# Altium PCB ECU rev B pcb.PcbDoc (part 1 of 6)
Units mil, origin at the board's own origin, x right, y up, seen from the top; angles counter-clockwise.
Board outline 5590.55 x 4937.67 mil, 4 copper layers (Top Layer, GND, Power, Bottom Layer), stack 23.756 mil thick; 577 components, 350 nets, 1799 pads, 680 vias.
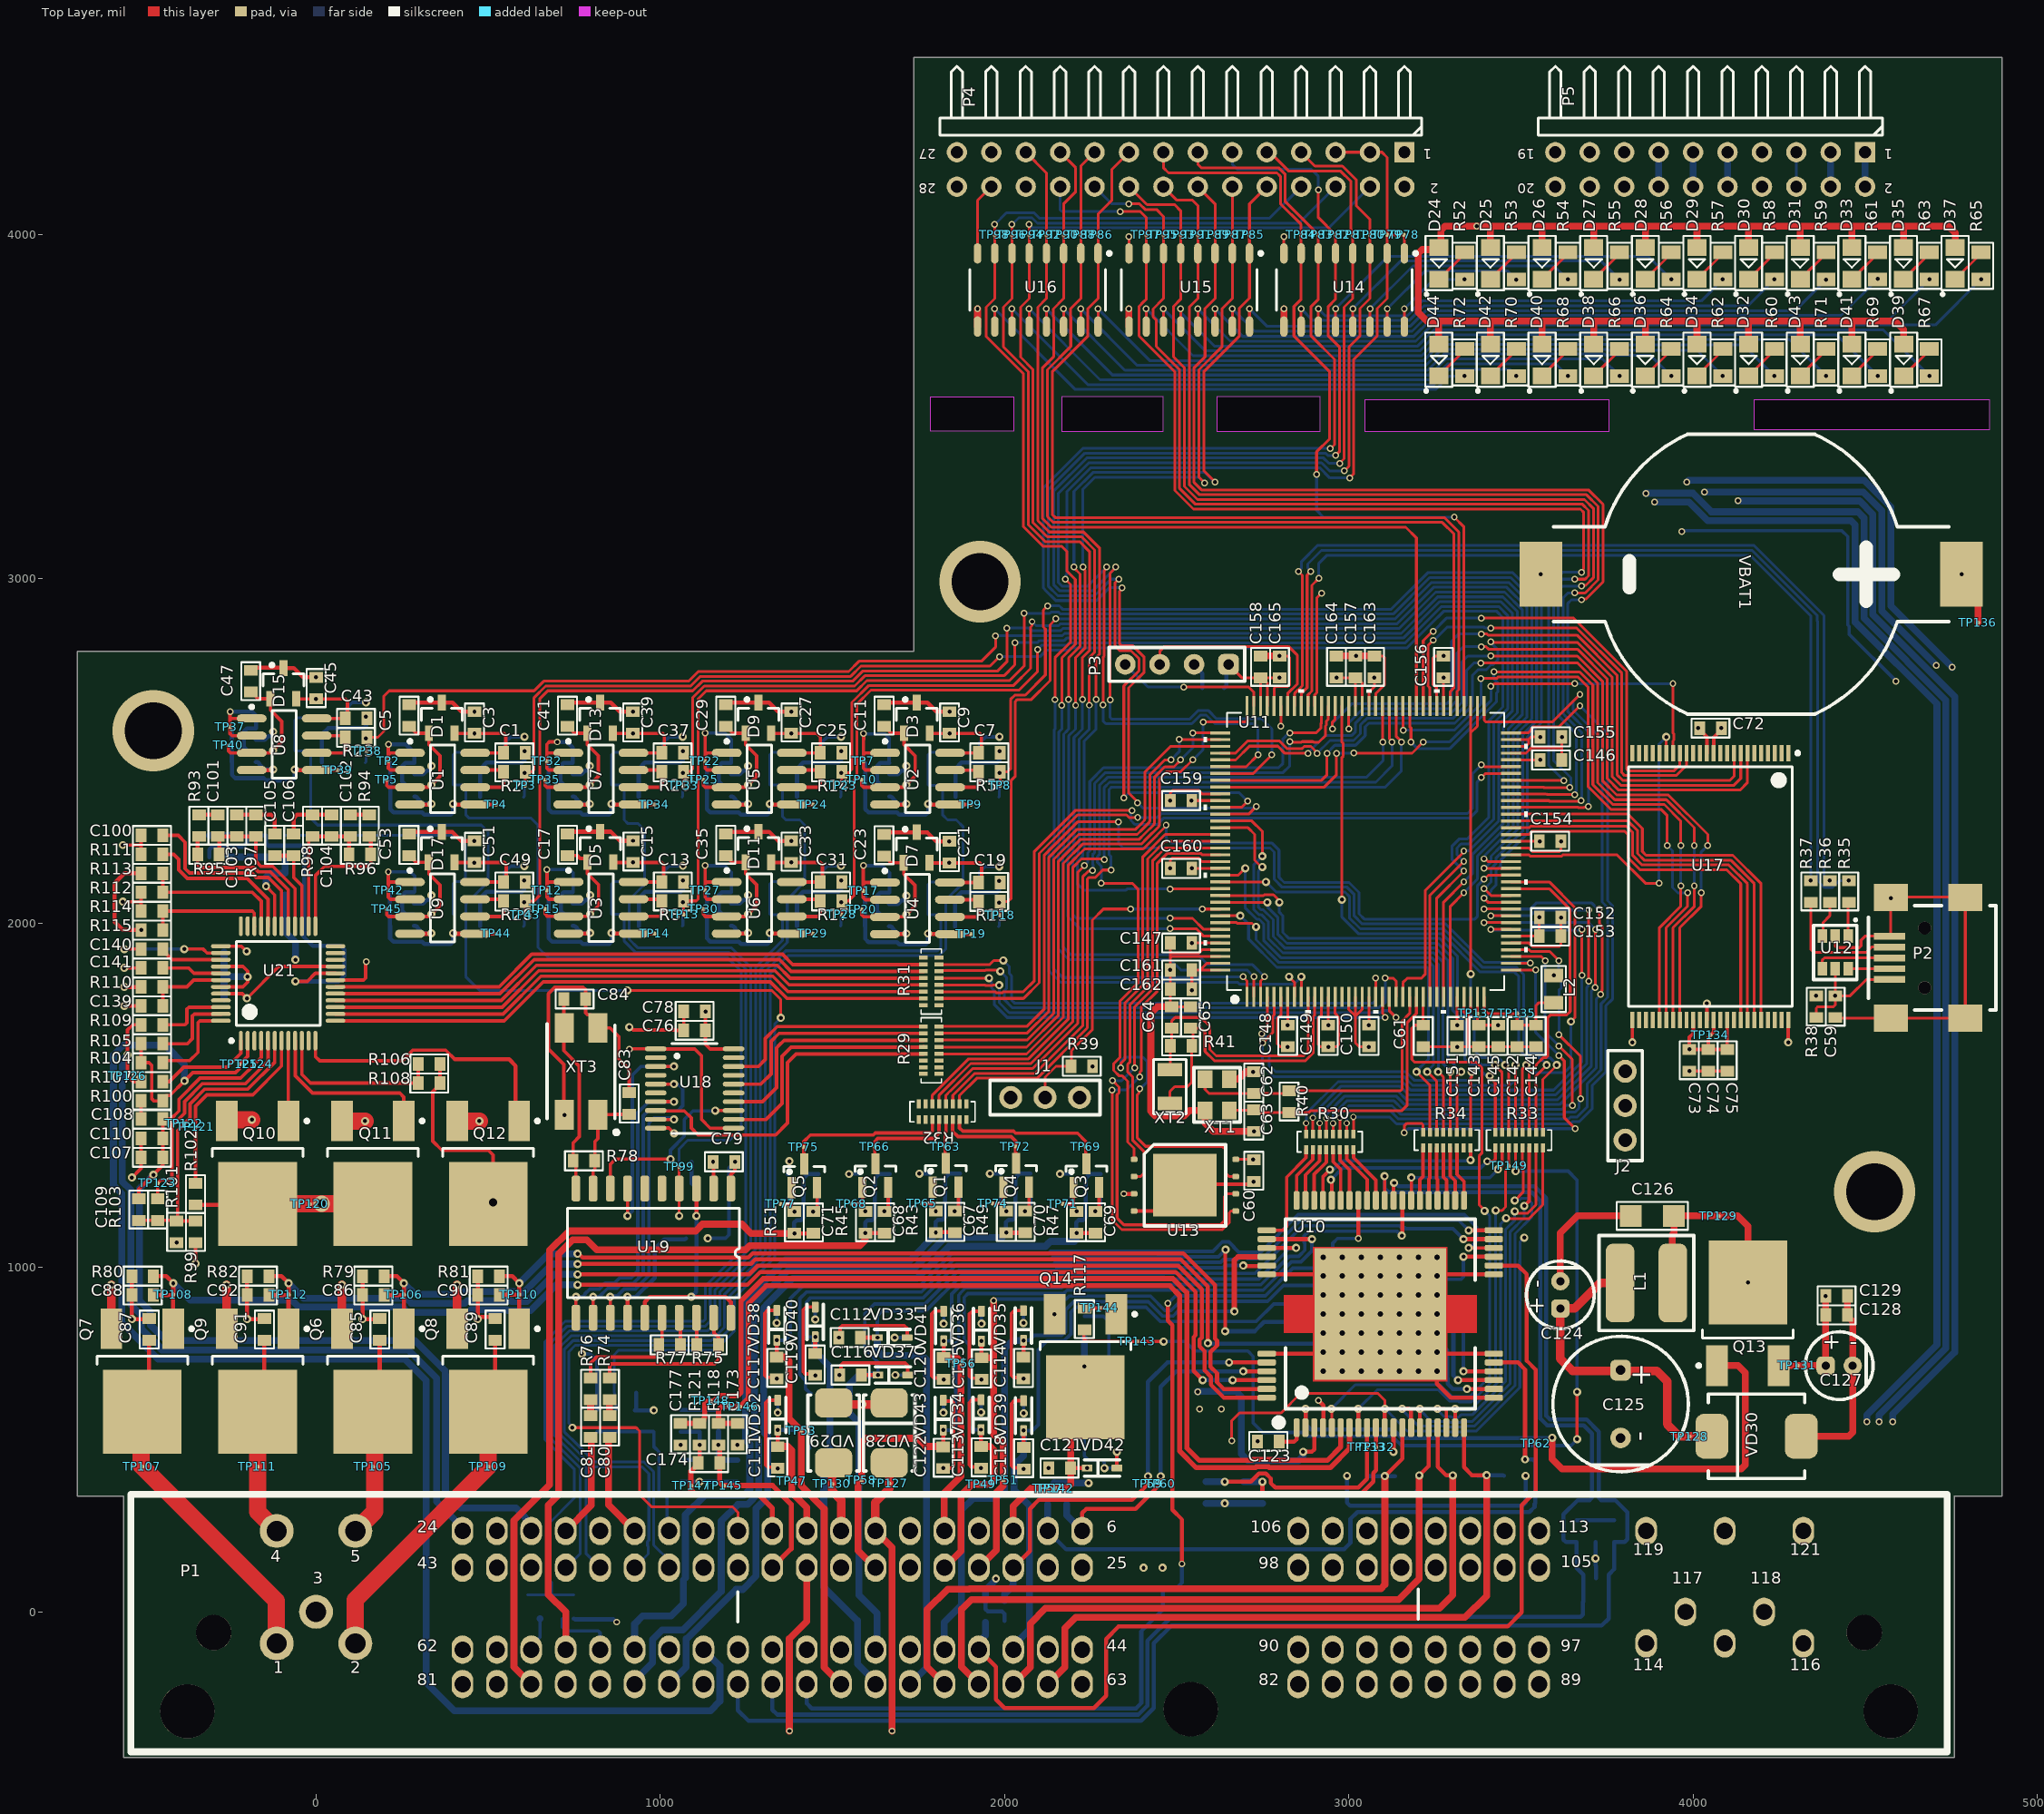
[diagram p0: Top Layer view]
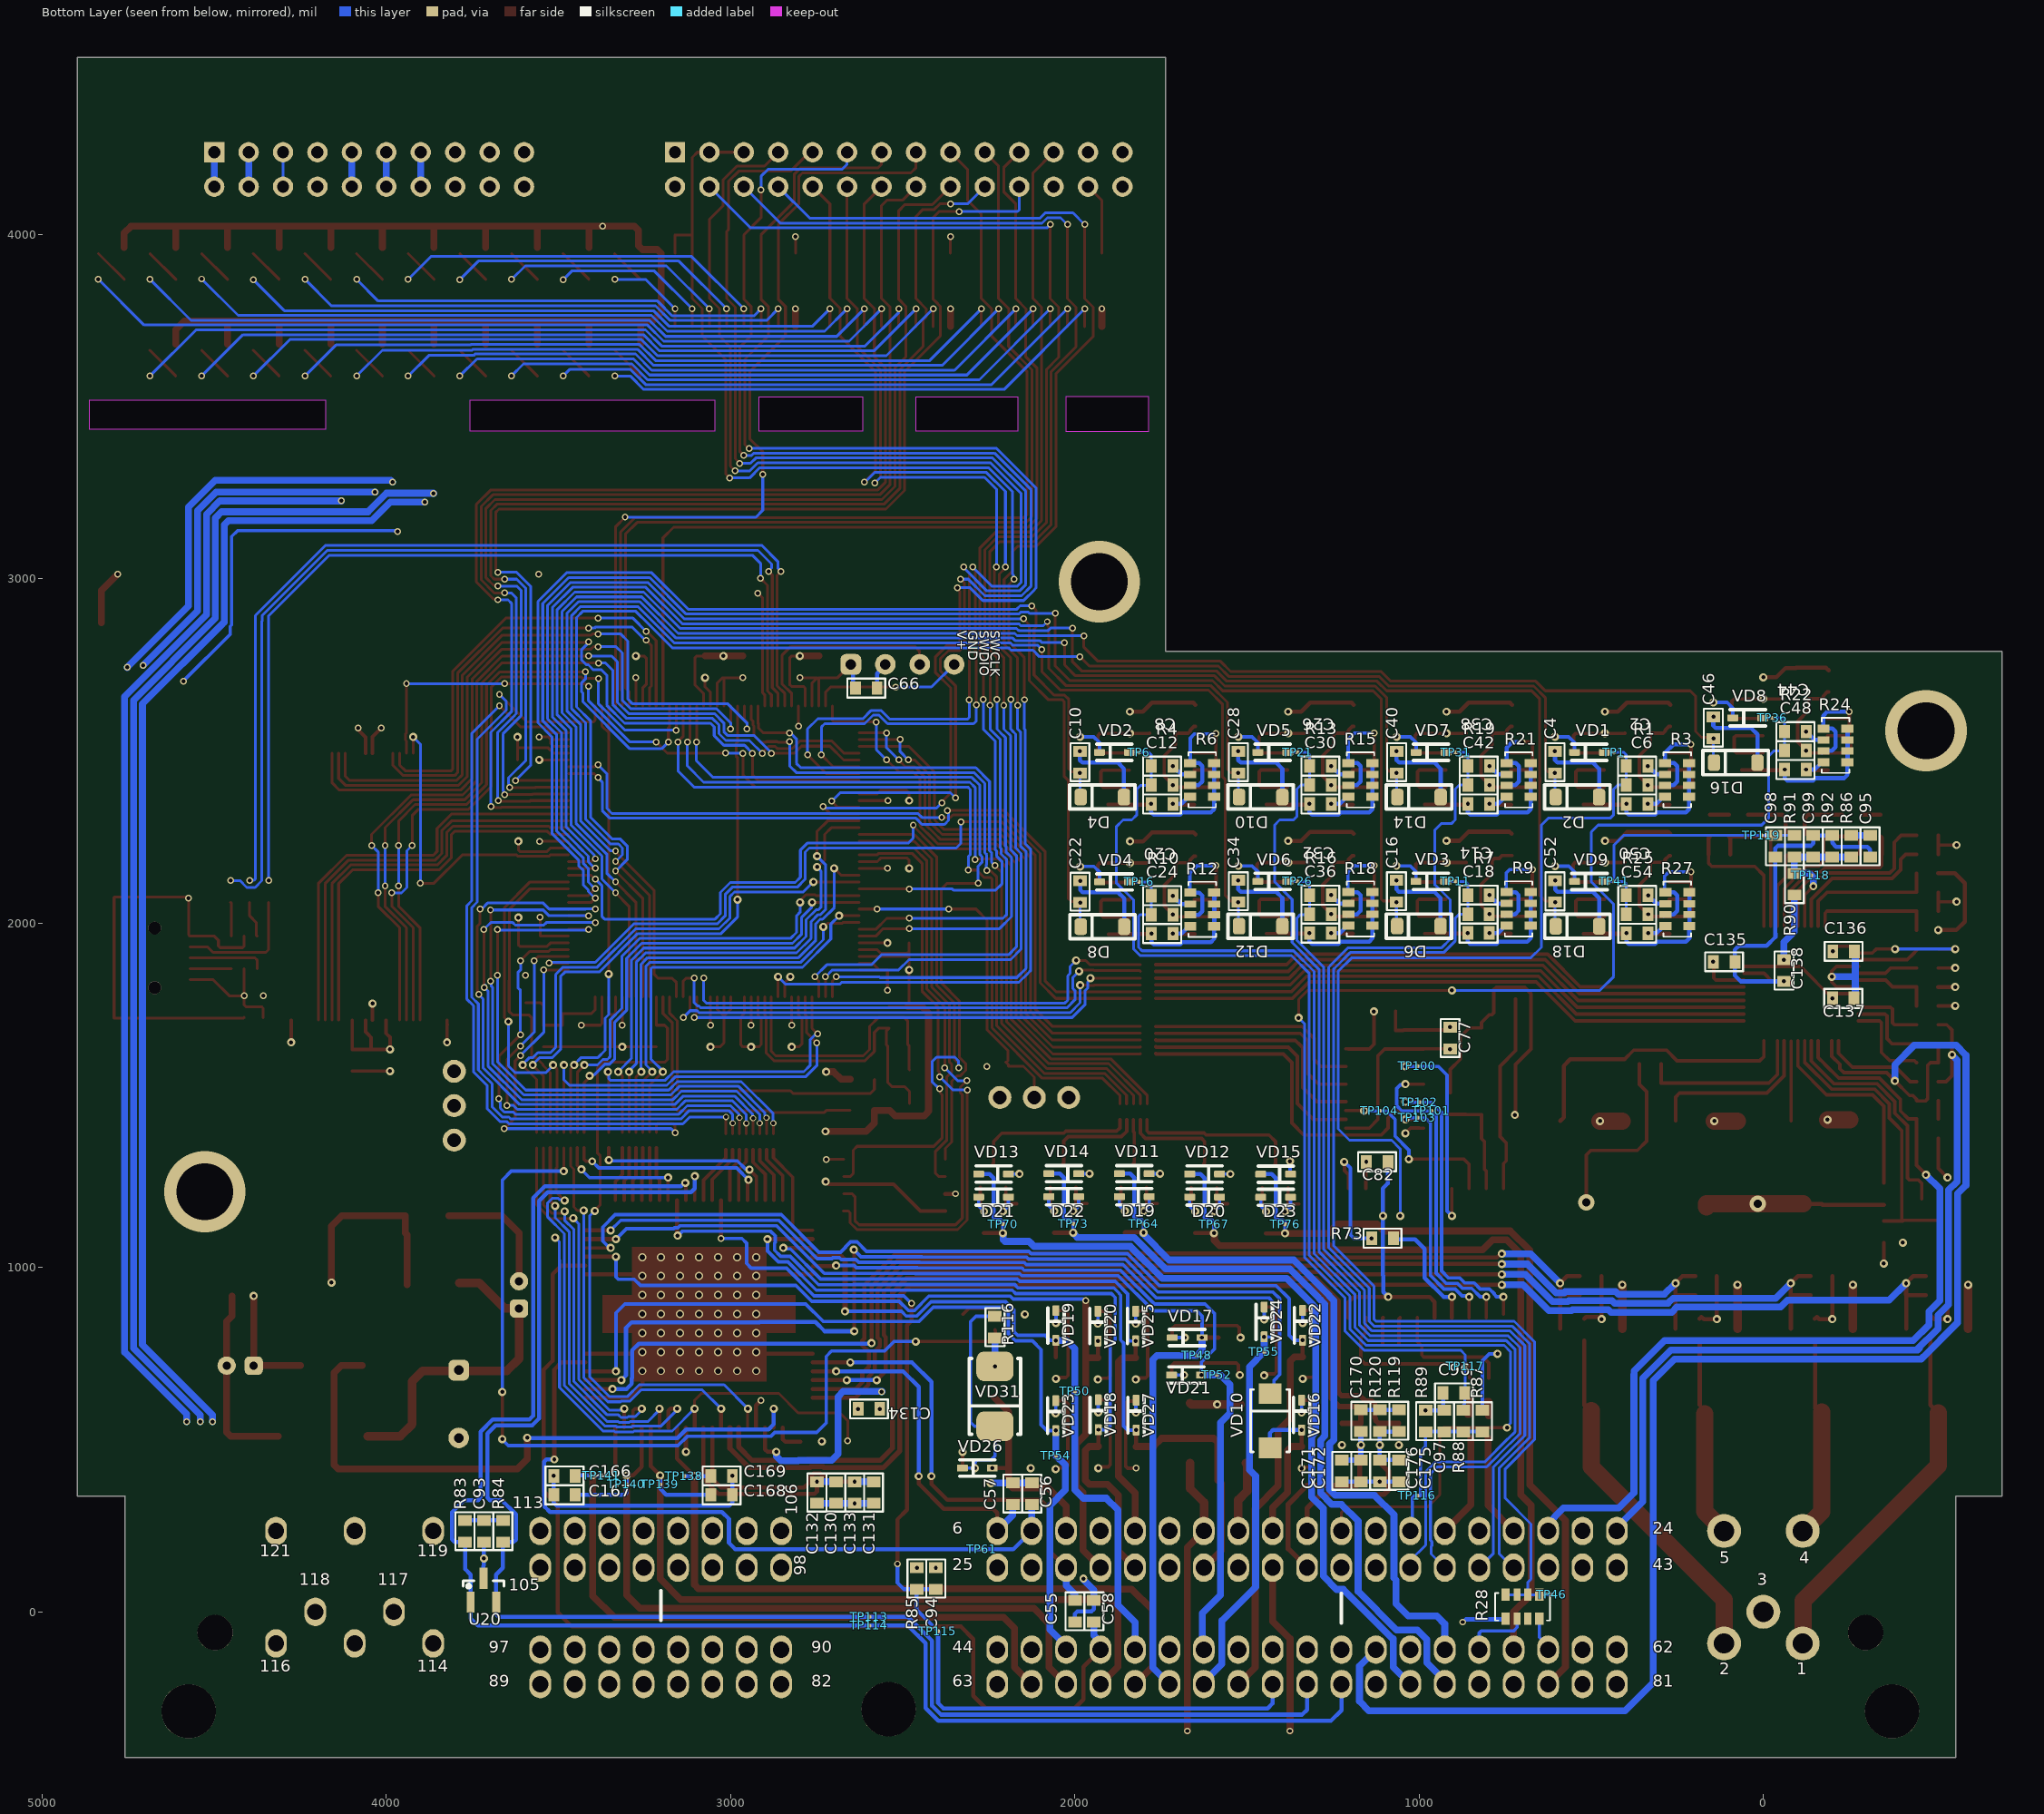
[diagram p1: Bottom Layer view, seen from below]
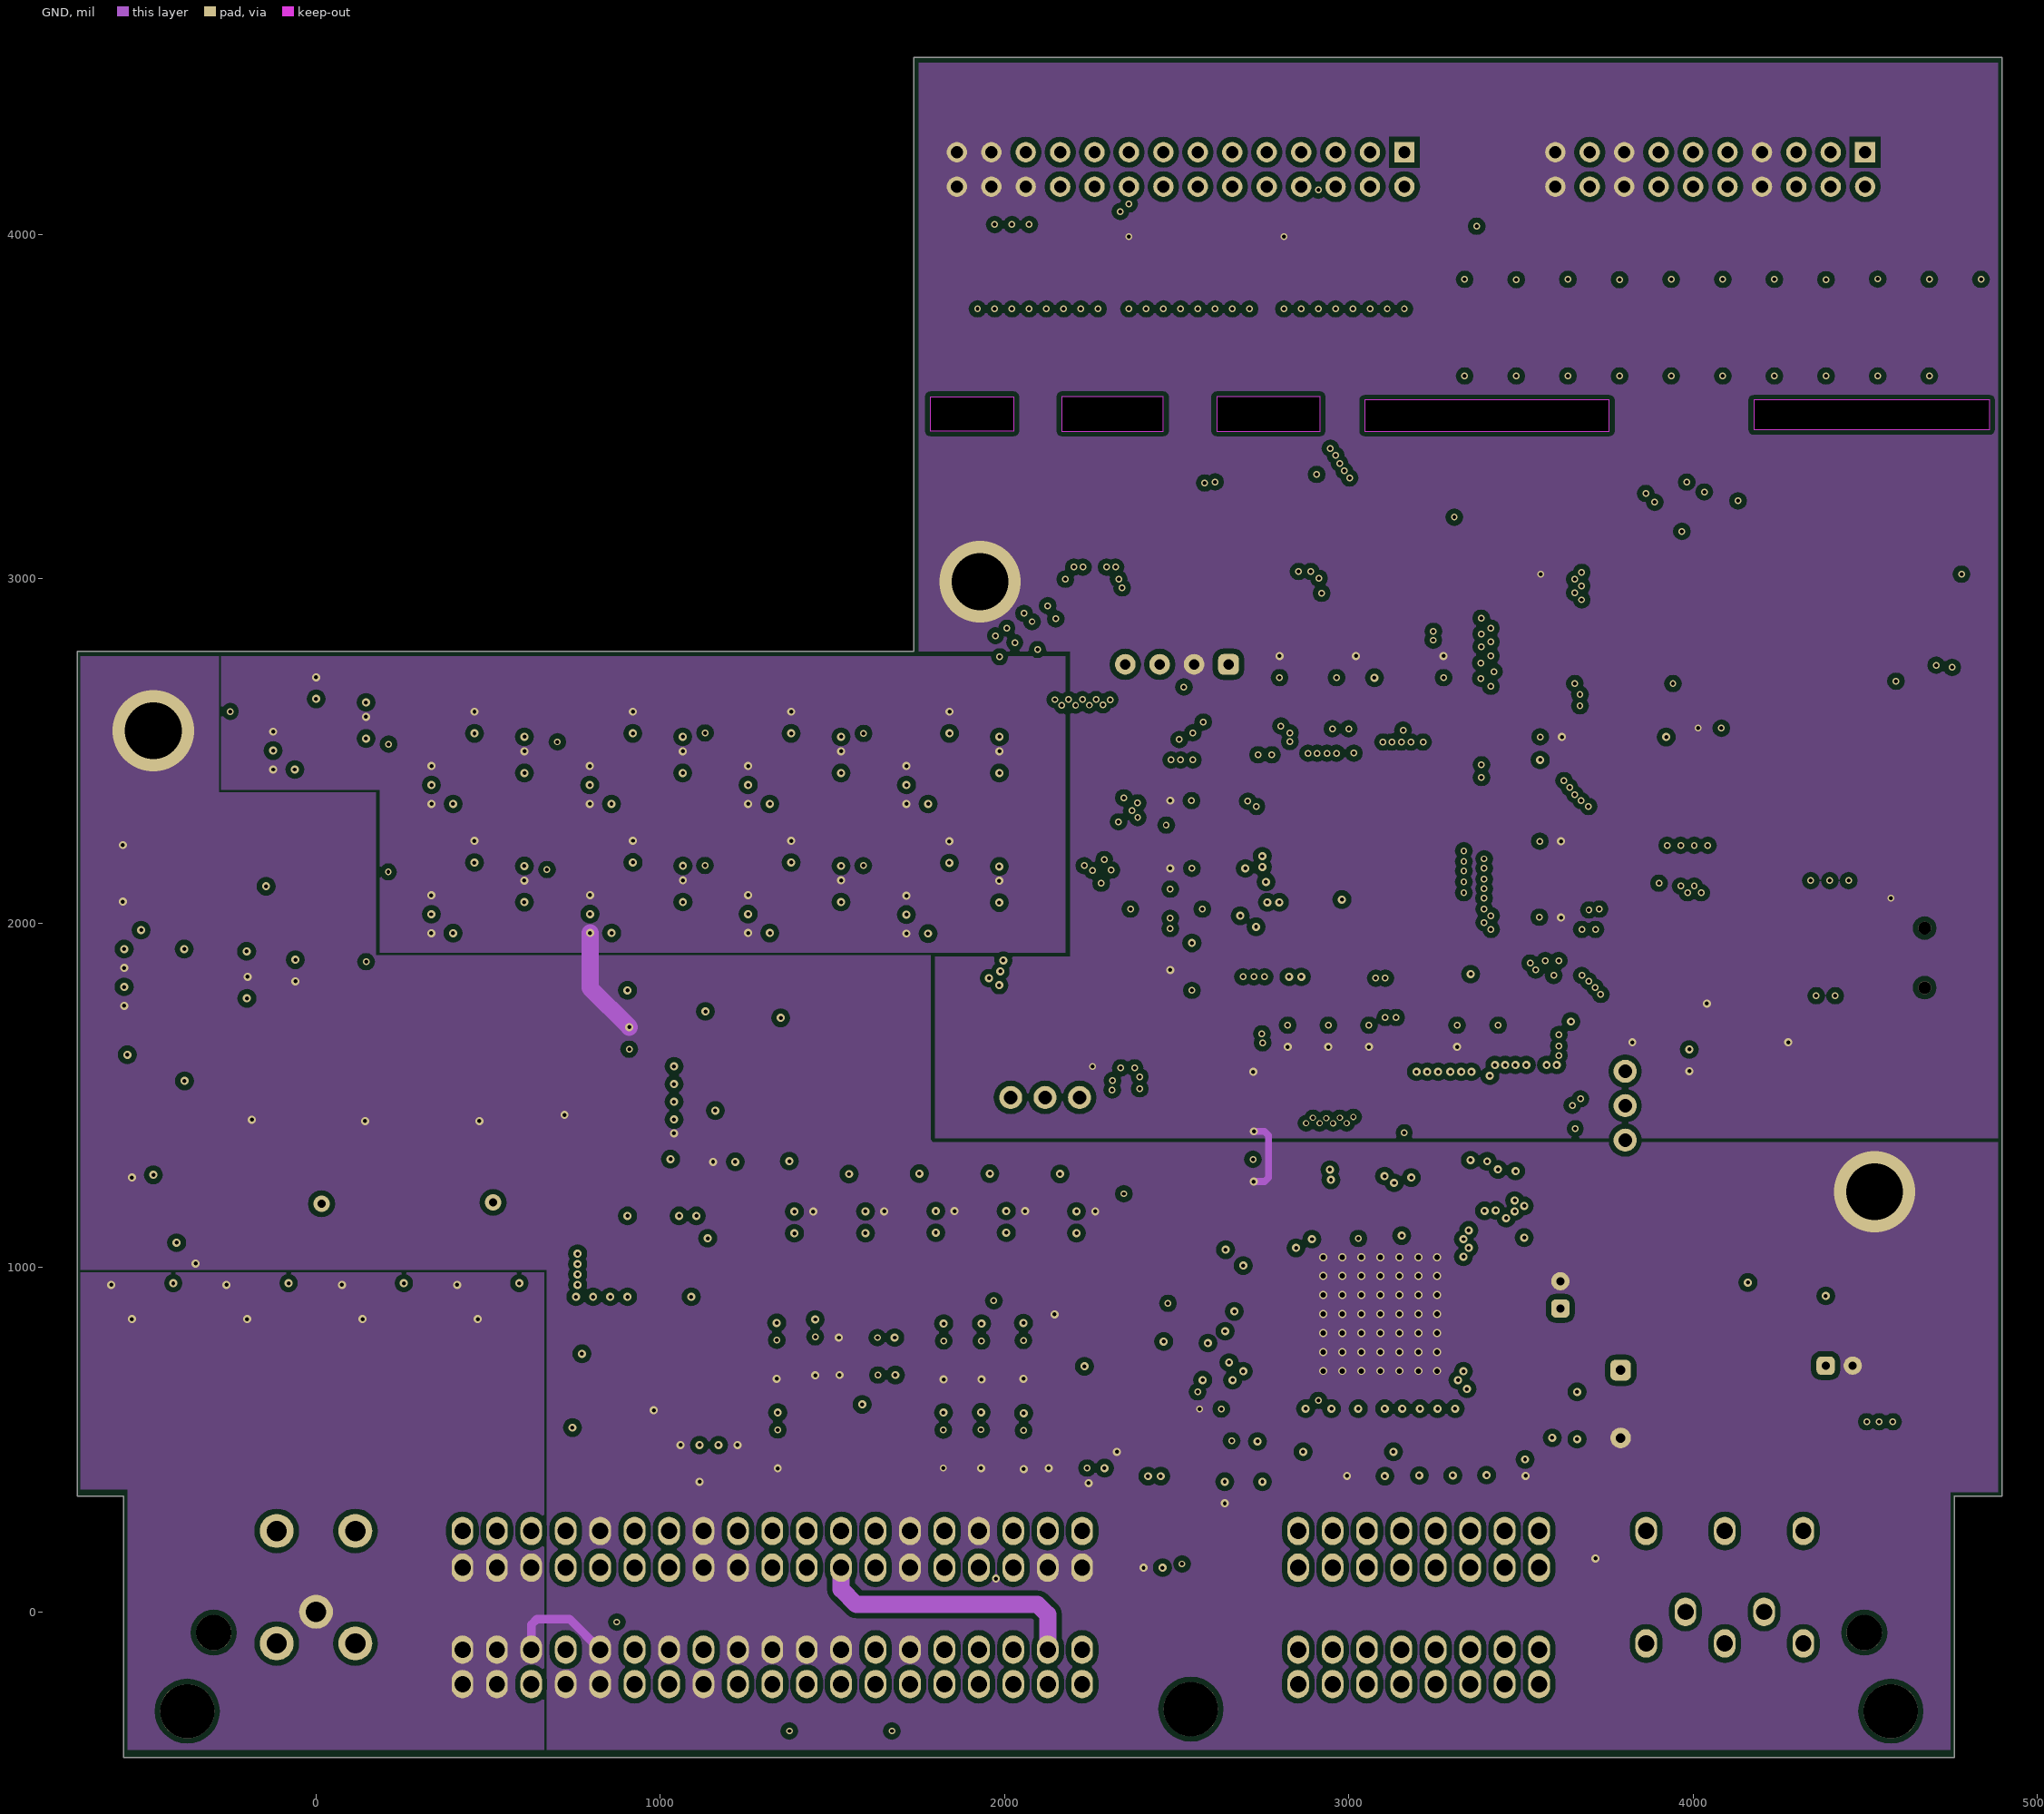
[diagram p2: GND]
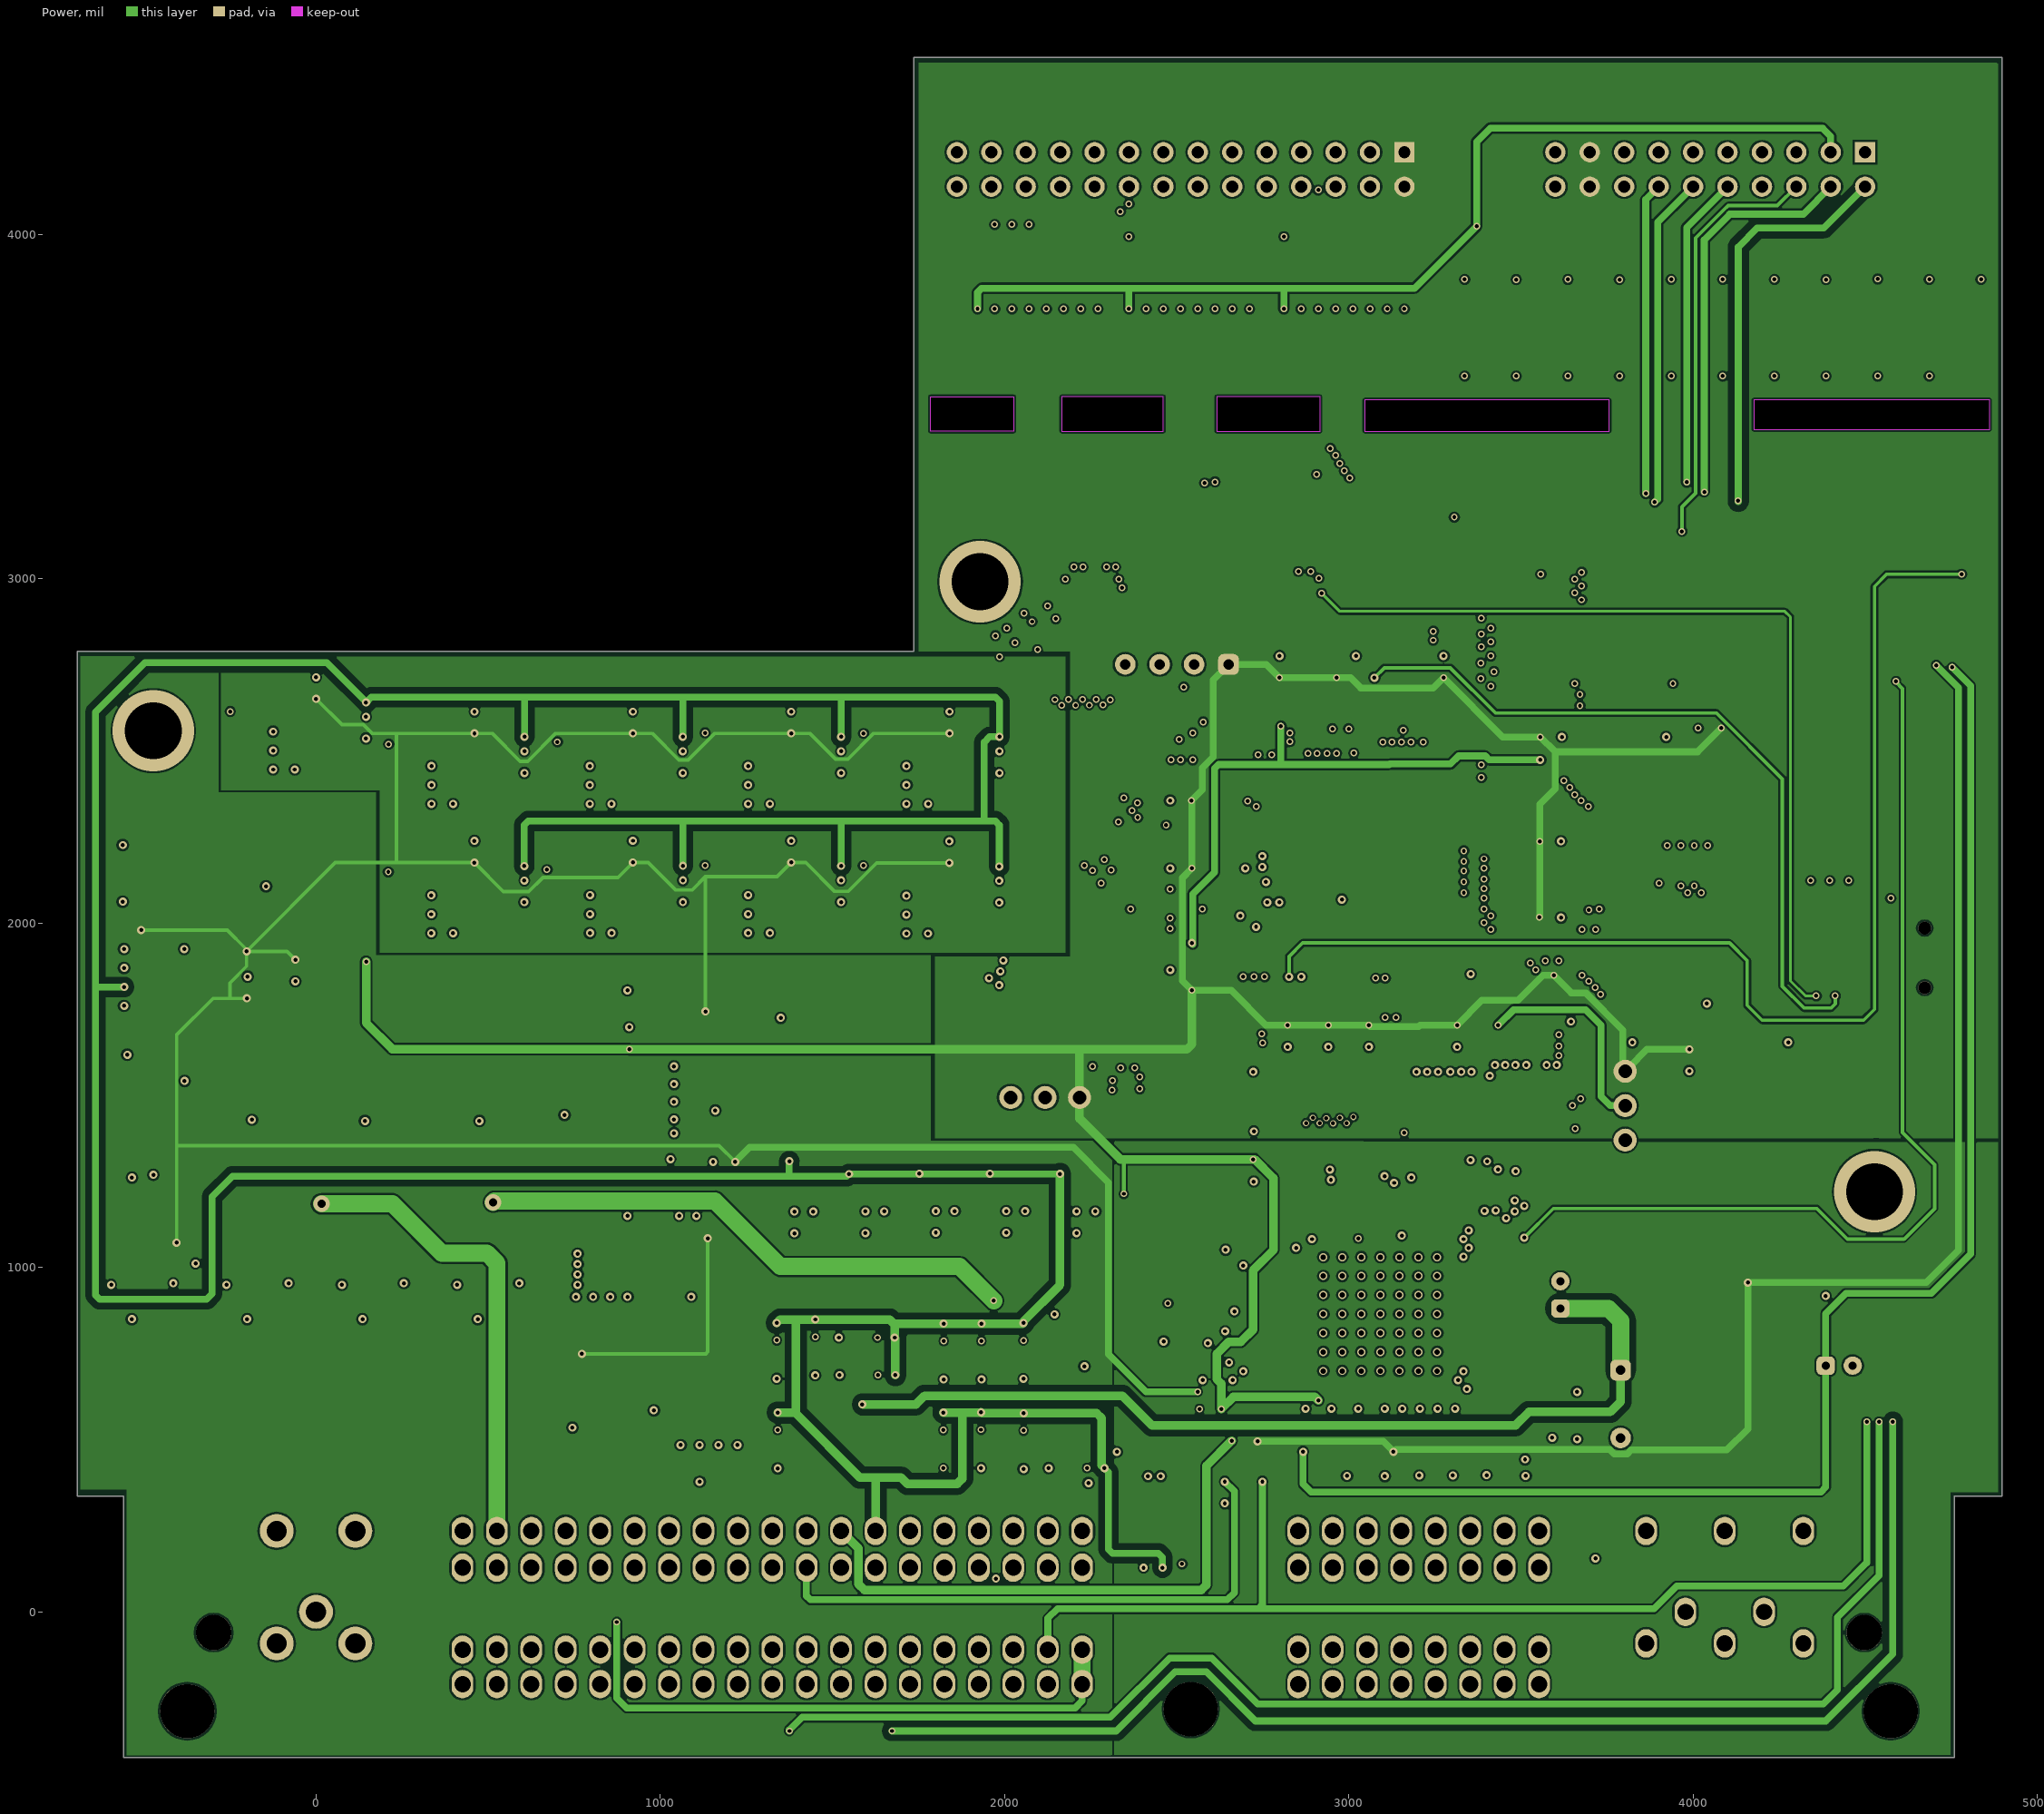
[diagram p3: Power]

## Layer stack, top to bottom
Top Solder: solder mask 0.4, Solder Resist, Dk 3.5
Top Layer: signal copper 1.4
Dielectric 4: prepreg 2.8, PP-006, Dk 4.1
GND: signal copper 1.378
Dielectric 1: dielectric 12.6, FR-4, Dk 4.8
Power: signal copper 1.378
Dielectric 5: prepreg 2.8, PP-006, Dk 4.1
Bottom Layer: signal copper 1.4
Bottom Solder: solder mask 0.4, Solder Resist, Dk 3.5

## Board outline
-559.06,-423.4 -559.06,336.44 -692.91,336.44 -692.91,2789.27 1736.83,2789.27 1736.83,4514.27 4897.64,4514.27 4897.64,336.44 4760.09,336.44 4759.84,336.2 4759.84,-423.4
cut-out: 4176.83,3519.27 4176.83,3434.27 4861.83,3434.27 4861.83,3519.27
cut-out: 3046.83,3519.27 3046.83,3429.27 3756.83,3429.27 3756.83,3519.27
cut-out: 2616.83,3529.27 2616.83,3429.27 2916.83,3429.27 2916.83,3529.27
cut-out: 2166.83,3529.27 2166.83,3429.27 2461.83,3429.27 2461.83,3529.27
cut-out: 1785,3529.27 2026.83,3529.27 2026.83,3429.27 1785,3429.27

## Design rules (kind name [scope] priority, off if disabled: settings)
Clearance Clearance_3 [((InNet('Vbatt') OR InNet('Vin')) AND OnLayer('Power'))] p1: gap=20 ignorepadtopadclearanceinfootprint=FALSE
Clearance Clearance_2 [InNet('GND') And OnLayer('GND')] p2: gap=15 ignorepadtopadclearanceinfootprint=FALSE
Clearance Clearance_1 [(InDifferentialPairClass('All Differential Pairs')) vs (InDifferentialPairClass('All Differential Pairs'))] p3: gap=6 ignorepadtopadclearanceinfootprint=FALSE
Clearance [All] p4: gap=6 ignorepadtopadclearanceinfootprint=FALSE
DiffPairsRouting [All] p1: maxlimit=10 minlimit=6 mostfreqgap=10 toplayer_minwidth=5 toplayer_maxwidth=15 toplayer_prefwidth=15 midlayer1_minwidth=5 midlayer1_maxwidth=15 midlayer1_prefwidth=15 midlayer2_minwidth=5 midlayer2_maxwidth=15 midlayer2_prefwidth=15 bottomlayer_minwidth=5 bottomlayer_maxwidth=15 bottomlayer_prefwidth=15 maxuncoupledlength=500
Height Height_1 [InComponent('P1')] p1: minheight=0 maxheight=99999 prefheight=0
Height [All] p2: minheight=0 maxheight=1000 prefheight=500
HoleSize HoleSize_1 [InNet('GND') or InComponent('P1')] p1: absolutevalues=TRUE maxlimit=1968.5 minlimit=1 maxpercent=80.000 minpercent=20.000
HoleSize [All] p2: absolutevalues=TRUE maxlimit=137.8 minlimit=7.87 maxpercent=80.000 minpercent=20.000
MinimumSolderMaskSliver [All] p1: minsoldermaskwidth=1.77
PasteMaskExpansion [All] p1: expansion=3.94
PolygonConnect PolygonConnect_2 [All vs OnLayer('Power')] p1: connectstyle=Direct reliefconductorwidth=10 reliefentries=4 polygonreliefangle="90 Angle" airgapwidth=10
PolygonConnect PolygonConnect_1 [All vs OnLayer('GND')] p2: connectstyle=Direct reliefconductorwidth=10 reliefentries=4 polygonreliefangle="90 Angle" airgapwidth=10
PolygonConnect [All] p3: connectstyle=Relief reliefconductorwidth=10 reliefentries=4 polygonreliefangle="45 Angle" airgapwidth=10
RoomDefinition CPU [InComponentClass('CPU')] p1: confinementstyle=ConfineIn formatcopy=TRUE lockcomponents=FALSE outline -680,335 4896.83,335 4896.83,3219.27 -680,3219.27
RoomDefinition DC2 [InComponentClass('DC2')] p2: confinementstyle=ConfineIn formatcopy=TRUE lockcomponents=FALSE outline 1725.63,1066.85 1725.63,1370 1520.91,1370 1520.91,1066.85
RoomDefinition DC4 [InComponentClass('DC4')] p3: confinementstyle=ConfineIn formatcopy=TRUE lockcomponents=FALSE outline 2134.69,1067.91 2134.69,1371.06 1929.96,1371.06 1929.96,1067.91
RoomDefinition LIN1 [InComponentClass('LIN1')] p4: confinementstyle=ConfineIn formatcopy=TRUE lockcomponents=TRUE outline 783.46,318.38 1015.75,318.38 1015.75,724.41 783.46,724.41
RoomDefinition HIP9011 [InComponentClass('HIP9011')] p5: confinementstyle=ConfineIn formatcopy=TRUE lockcomponents=FALSE outline 445,358.27 1265,358.27 1265,1830 445,1830
RoomDefinition OP7 [InComponentClass('OP7')] p6: confinementstyle=ConfineIn formatcopy=TRUE lockcomponents=TRUE outline 1373.58,902.17 1263.58,902.17 1263.58,642.17 1373.58,642.17
RoomDefinition OP6 [InComponentClass('OP6')] p7: confinementstyle=ConfineIn formatcopy=TRUE lockcomponents=TRUE outline 1746.02,652.83 1746.02,762.83 1486.02,762.83 1486.02,652.83
RoomDefinition OP9 [InComponentClass('OP9')] p8: confinementstyle=ConfineIn formatcopy=TRUE lockcomponents=TRUE outline 1485.12,912.13 1375.12,912.13 1375.12,652.13 1485.12,652.13
RoomDefinition OP4 [InComponentClass('OP4')] p9: confinementstyle=ConfineIn formatcopy=TRUE lockcomponents=FALSE outline 2090.2,901.69 1980.2,901.69 1980.2,641.69 2090.2,641.69
RoomDefinition OP5 [InComponentClass('OP5')] p10: confinementstyle=ConfineIn formatcopy=TRUE lockcomponents=TRUE outline 1968.23,899.96 1858.23,899.96 1858.23,639.96 1968.23,639.96
RoomDefinition ExtIO [InComponentClass('ExtIO')] p11: confinementstyle=ConfineIn formatcopy=TRUE lockcomponents=FALSE outline 4886.83,3529.27 4886.83,4499.27 1751.83,4499.27 1751.83,3529.27
RoomDefinition InterfaceControl [InComponentClass('InterfaceControl')] p12: confinementstyle=ConfineOut formatcopy=TRUE lockcomponents=FALSE outline -376.29,5866.13 534.73,5866.13 534.73,8256.28 -376.29,8256.28
RoomDefinition StepControl [InComponentClass('StepControl')] p13: confinementstyle=ConfineIn formatcopy=TRUE lockcomponents=FALSE outline 2694.57,251.56 3605.6,251.56 3605.6,563.76 2694.57,563.76
RoomDefinition AC1 [InComponentClass('AC1')] p14: confinementstyle=ConfineIn formatcopy=TRUE lockcomponents=FALSE outline 645.39,2301.42 645.39,2676.42 185.39,2676.42 185.39,2301.42
RoomDefinition AC3 [InComponentClass('AC3')] p15: confinementstyle=ConfineIn formatcopy=TRUE lockcomponents=FALSE outline 1105.91,1926.52 1105.91,2301.52 645.91,2301.52 645.91,1926.52
RoomDefinition AC4 [InComponentClass('AC4')] p16: confinementstyle=ConfineIn formatcopy=TRUE lockcomponents=FALSE outline 2025,1925 2025,2300 1565,2300 1565,1925
RoomDefinition AC6 [InComponentClass('AC6')] p17: confinementstyle=ConfineIn formatcopy=TRUE lockcomponents=FALSE outline 1565.39,1926.42 1565.39,2301.42 1105.39,2301.42 1105.39,1926.42
RoomDefinition AC2 [InComponentClass('AC2')] p18: confinementstyle=ConfineIn formatcopy=TRUE lockcomponents=FALSE outline 2025.39,2301.42 2025.39,2676.42 1565.39,2676.42 1565.39,2301.42
RoomDefinition AC5 [InComponentClass('AC5')] p19: confinementstyle=ConfineIn formatcopy=TRUE lockcomponents=FALSE outline 1565.39,2301.42 1565.39,2676.42 1105.39,2676.42 1105.39,2301.42
RoomDefinition AC8 [InComponentClass('AC8')] p20: confinementstyle=ConfineIn formatcopy=TRUE lockcomponents=FALSE outline 185.39,2401.42 185.39,2776.42 -274.61,2776.42 -274.61,2401.42
RoomDefinition LIN2 [InComponentClass('LIN2')] p21: confinementstyle=ConfineIn formatcopy=TRUE lockcomponents=TRUE outline -245,2040 15,2040 15,2315 -245,2315
RoomDefinition 12to5 [InComponentClass('12to5')] p22: confinementstyle=ConfineIn formatcopy=TRUE lockcomponents=FALSE outline 604.68,-65 850.28,-65 850.28,87.01 604.68,87.01
RoomDefinition OP12 [InComponentClass('OP12')] p23: confinementstyle=ConfineIn formatcopy=TRUE lockcomponents=FALSE outline 1857.21,641.38 1747.21,641.38 1747.21,381.38 1857.21,381.38
RoomDefinition IgnCvt4 [InComponentClass('IgnCvt4')] p24: confinementstyle=ConfineIn formatcopy=TRUE lockcomponents=FALSE outline -9.61,1011.42 -344.61,1011.42 -344.61,401.42 -9.61,401.42
RoomDefinition IgnCvt1 [InComponentClass('IgnCvt1')] p25: confinementstyle=ConfineIn formatcopy=TRUE lockcomponents=FALSE outline 325.39,1011.42 -9.61,1011.42 -9.61,401.42 325.39,401.42